# Altium PCB LPCB220R0.PcbDoc (part 3 of 4) (continued)
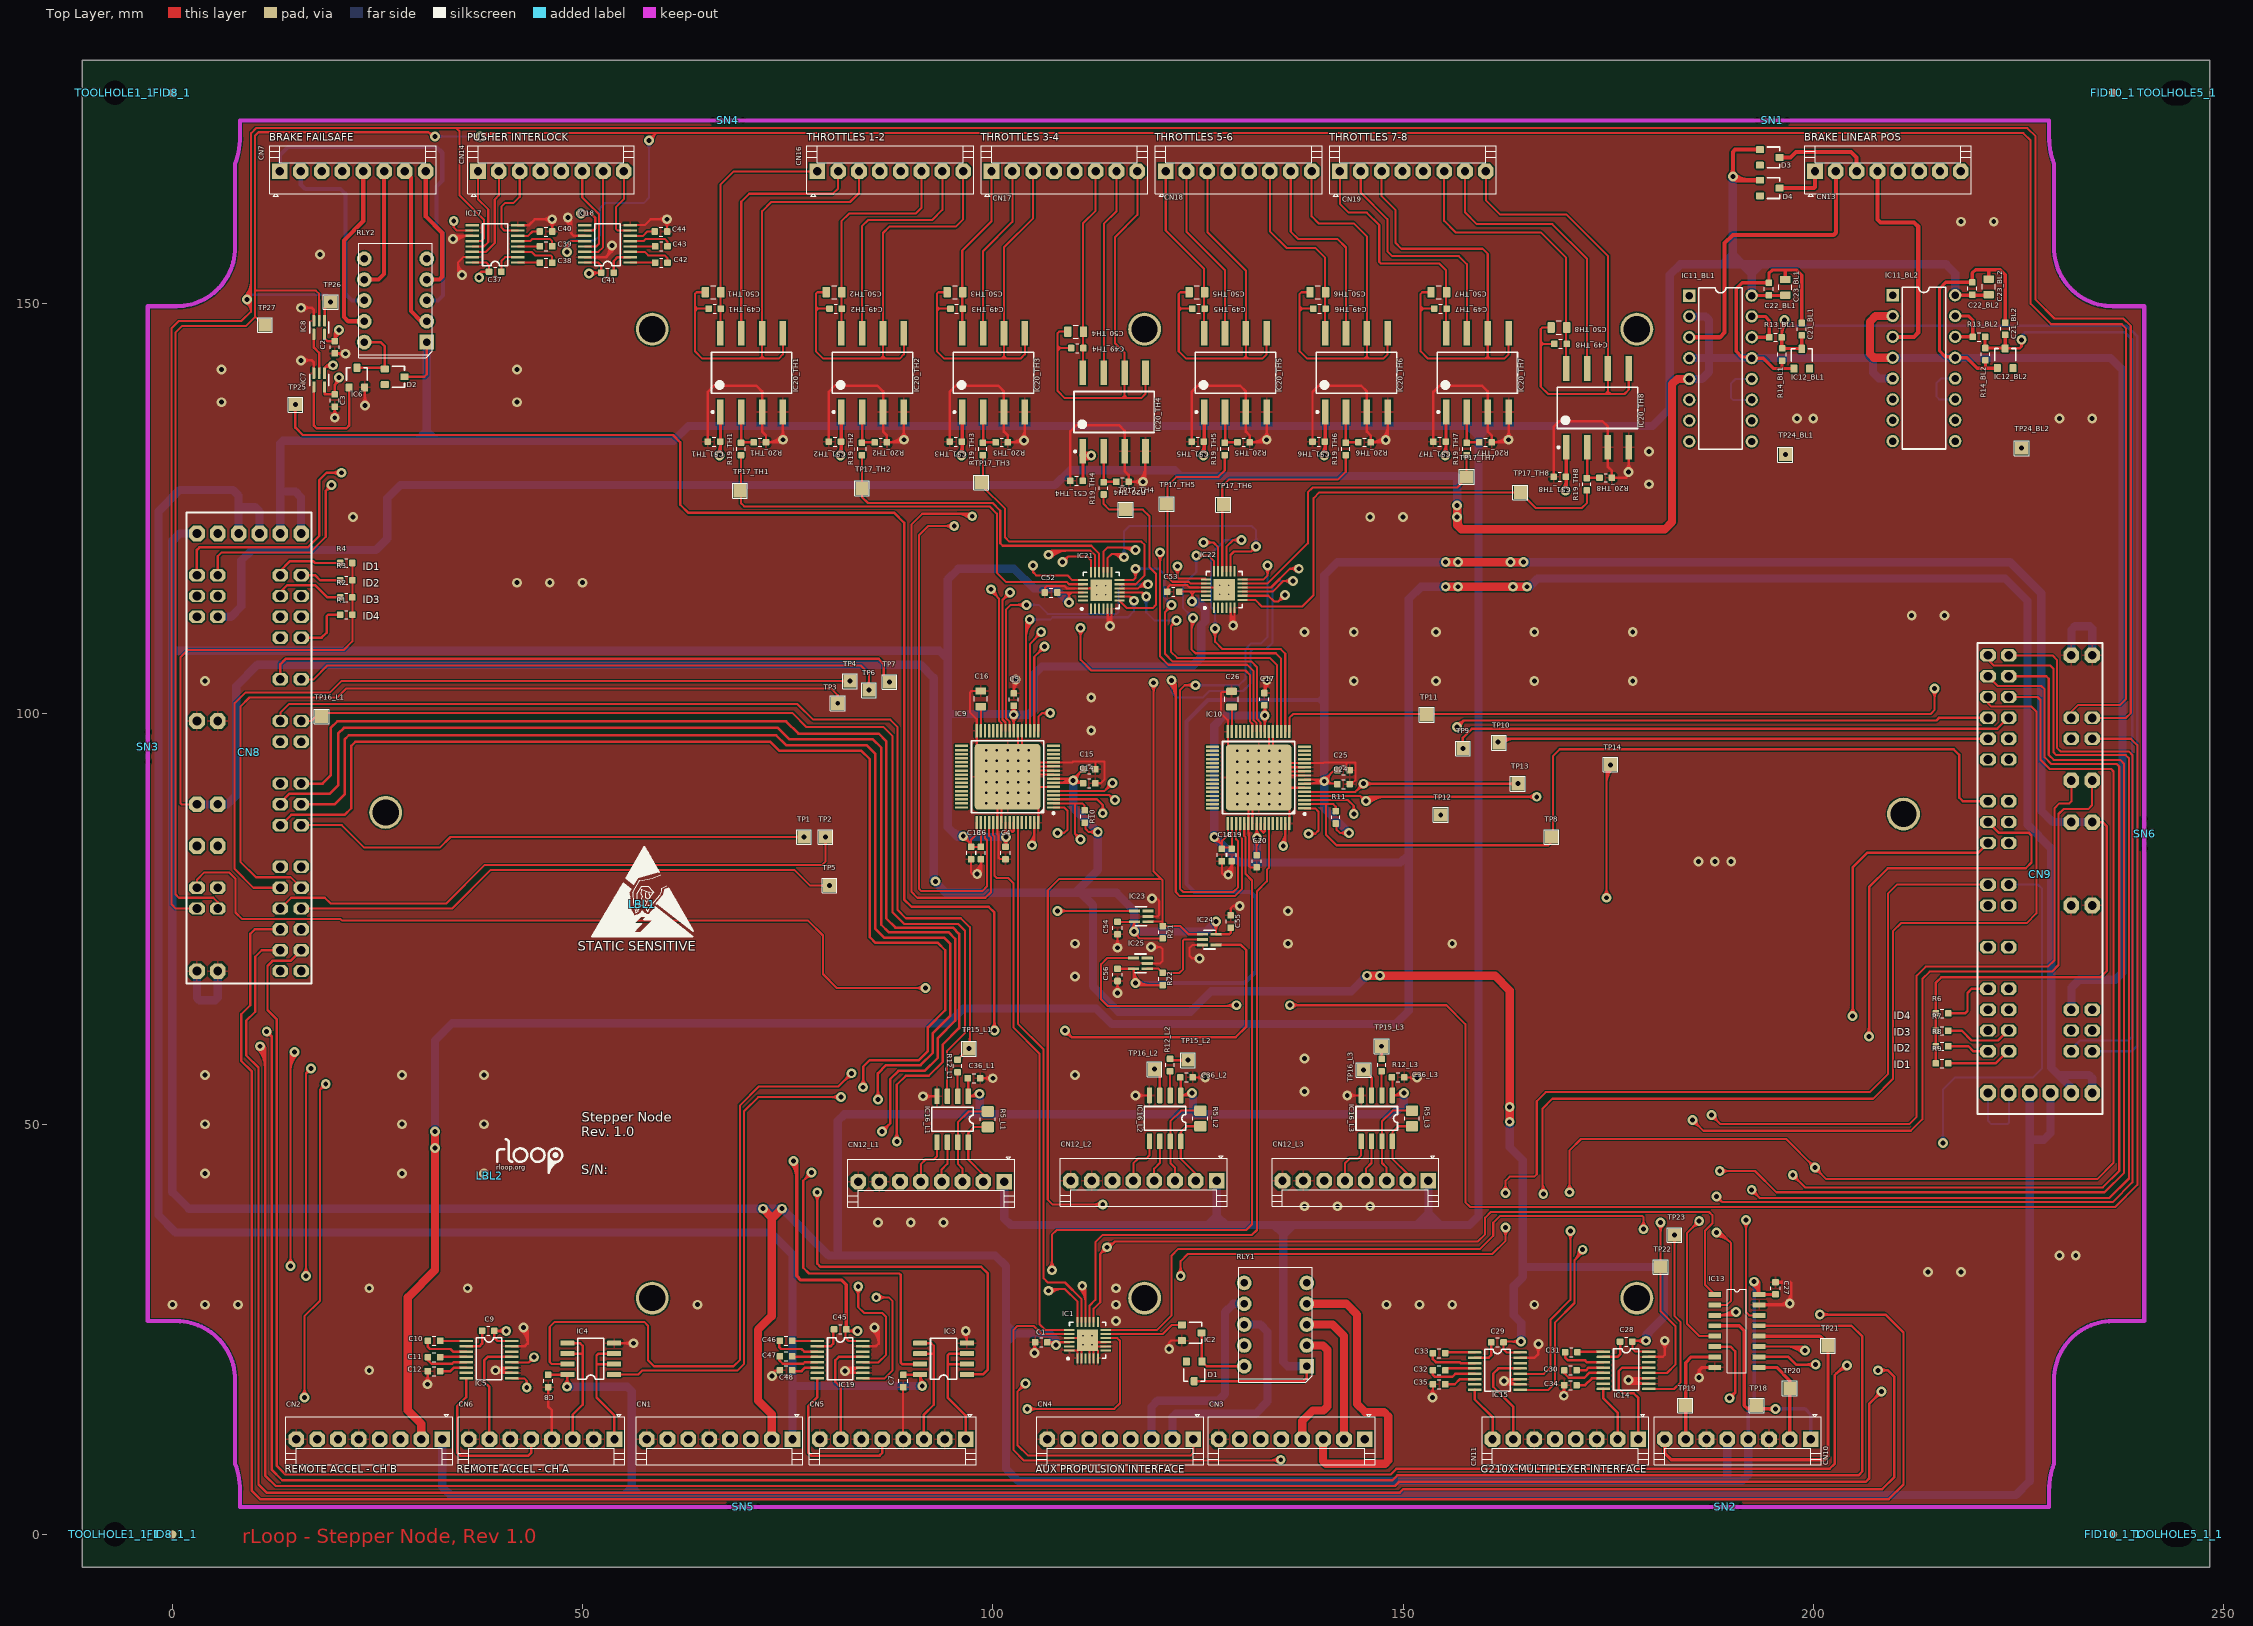
[diagram p0: Top Layer view]
## Nets (pads, with @x,y where several pads share a name; then routed paths per layer and width w, separated by ;. In a path a pad name is that pad's centre, name@x,y a point inside that pad or via, vN(x,y) a via of type N, cw(c..) or ccw(c..) an arc to the next point about the centre after c; other vN are vias at no path point) (continued)
  Top Layer w0.254: 34.8,154.217 ccw(c35.62,154.217) v1@35.286,153.468 ; 34.8,154.608 ccw(c35.795,154.608) v1@35.389,153.7 ; v1@34.863,153.681 ccw(c34.594,153.794) 34.8,154 ; v1@35.119,153.937 cw(c35.006,154.206) 34.8,154 ; v1(35.3,153.5) 34.8,154 ; v1@35.493,153.932 cw(c35.97,155) 34.8,155 ; IC17.15@36.575,155.675 35.475,155.675 34.8,155 ; v1@45.966,159.966 cw(c45.158,159.158) 46.3,159.158 cw(c47.442,159.158) v1@46.634,159.966 ; C40.2@46.3,158.8 v1(46.3,160.3) ; IC18.8@55.825,159.575 57.575,159.575 58.3,160.3 v1(60.3,160.3) C44.2@60.3,158.8 ; v1@59.966,160.634 cw(c59.158,161.442) 59.158,160.3 cw(c59.158,159.158) 59.966,159.966 cw(c59.158,159.158) 60.3,159.158 cw(c61.442,159.158) v1@60.634,159.966 ; v1(73.1,19.3) 73.1,19.6 73.5,20 ; v1@73.1,19.773 ccw(c73.1,20.191) 73.395,19.895 ; v1@73.474,19.59 cw(c73.72,19.78) 73.5,20 ; C48.2@74.25,20 73.5,20 ; v1@81.975,19.925 cw(c82.942,18.958) 82.942,20.325 ; v1@82.155,19.745 cw(c83.555,18.345) IC19.11@83.555,20.325 ; v1@82.155,20.055 ccw(c83.072,20.972) 83.072,19.675 ; v1@82.246,20.304 ccw(c82.322,20.428) 82.425,20.325 ; v1@82.334,20.234 ccw(c83.685,21.585) IC19.10@83.685,19.675 ; v1@82.404,20.146 cw(c82.528,20.222) 82.425,20.325 ; 82.599,19.675 ccw(c82.599,19.301) 82.334,19.566 cw(c84.168,17.732) IC19.11@84.168,20.325 ; IC19.10@84.175,19.675 82.225,19.675 v1(82,19.9) 82.425,20.325 ; IC19.11@84.175,20.325 82.425,20.325 ; CN5.4@89.07,11.6 89.07,17.92 C7.2@89.1,17.95 ; v1(91.5,53.4) IC16_L1.4@93.195,53.4 ; v1@91.835,53.066 cw(c92.642,52.258) 92.642,53.4 cw(c92.642,54.542) v1@91.835,53.734 ; v1@96.366,24.465 cw(c95.2,23.298) IC3.4@96.85,23.298 ; v1@96.545,24.645 cw(c95.811,23.91) 96.85,23.91 ; v1(96.7,24.8) 96.85,24.65 IC3.4@96.85,23.305 ; 96.85,24.02 cw(c97.48,24.02) v1@97.034,24.466 ; C13.2@97.35,82.3 97.35,80.65 97.5,80.5 98.4,80.5 98.6,80.7 C6.2@98.6,82.25 ; v1@97.85,80.902 ccw(c97.013,82.25) C6.2@98.6,82.25 ; v1@97.984,80.686 ccw(c97.297,81.793) 98.6,81.793 ; v1@98.118,80.47 ccw(c97.58,81.336) 98.6,81.336 ; v1@98.252,80.255 ccw(c97.864,80.879) 98.6,80.879 ; C36_L1.2@98.45,55.6 v1(100,55.6) ; C6.2@98.55,82.3 C6.2@98.6,82.25 ; C16.1@98.55,102.8 97.4,102.8 97.2,102.6 97.2,100.2 98.05,99.35 IC9.32@98.05,97.95 98.05,96.1 IC9.PAD@101.8,92.35 ; v1@99.666,55.266 ccw(c98.858,54.458) 98.858,55.6 ccw(c98.858,56.742) v1@99.666,55.934 ; IC9.PAD@100.378,88.978 cw(c99.962,88.562) IC9.PAD@100.55,88.562 ; IC9.PAD@100.378,89.222 ccw(c99.962,89.638) IC9.PAD@100.55,89.638 ; IC9.PAD@100.378,90.278 cw(c99.962,89.862) IC9.PAD@100.55,89.862 ; IC9.PAD@100.378,90.522 ccw(c99.962,90.938) IC9.PAD@100.55,90.938 ; IC9.PAD@100.5,88.927 cw(c100.5,88.389) IC9.PAD@100.881,88.769 ; IC9.PAD@100.55,88.803 cw(c100.797,88.803) IC9.PAD@100.622,88.978 ; IC9.PAD@100.55,89.397 ccw(c100.797,89.397) IC9.PAD@100.622,89.222 ; IC9.PAD@100.55,90.103 cw(c100.797,90.103) IC9.PAD@100.622,90.278 ; IC9.PAD@100.55,90.697 ccw(c100.797,90.697) IC9.PAD@100.622,90.522 ; IC9.PAD@100.673,89.1 ccw(c100.97,89.1) IC9.PAD@100.76,88.89 ; IC9.55@101.05,86.75 101.05,88.6 IC9.PAD@100.55,89.1 ; C4.2@101.55,82.3 100.9,82.3 100.7,82.5 100.7,85.2 100.55,85.35 IC9.54@100.55,86.75 IC9.PAD@100.55,89.1 ; IC9.PAD@102.515,92.6 ccw(c102.515,93.376) IC9.PAD@103.168,92.956 ; C5.2@102.55,102.482 cw(c104.48,102.482) v1@103.131,103.862 ; C5.2@102.55,102.5 102.55,103.95 v1(102.8,104.2) ; 102.55,103.085 cw(c103.89,103.085) v1@102.953,104.043 ; IC9.PAD@102.955,93.094 cw(c102.05,93.675) IC9.PAD@102.05,92.6 ; IC9.PAD@102.962,92.895 ccw(c102.55,92.583) IC9.PAD@102.55,93.1 ; IC9.PAD@102.978,94.178 cw(c102.803,94.003) IC9.PAD@103.05,94.003 ; IC9.PAD@102.978,94.422 ccw(c102.803,94.597) IC9.PAD@103.05,94.597 ; IC9.PAD@102.978,95.478 cw(c102.803,95.303) IC9.PAD@103.05,95.303 ; IC9.PAD@102.978,95.722 ccw(c102.803,95.897) IC9.PAD@103.05,95.897 ; IC9.PAD@103.017,92.6 ccw(c103.017,94.383) IC9.PAD@104.278,93.122 ; IC9.PAD@103.043,92.943 ccw(c103.87,93.77) IC9.PAD@103.87,92.6 ; IC9.PAD@103.05,93.762 cw(c103.638,93.762) IC9.PAD@103.222,94.178 ; IC9.PAD@103.05,94.838 ccw(c103.638,94.838) IC9.PAD@103.222,94.422 ; IC9.PAD@103.05,95.062 cw(c103.638,95.062) IC9.PAD@103.222,95.478 ; IC9.PAD@103.05,96.138 ccw(c103.638,96.138) IC9.PAD@103.222,95.722 ; IC9.22@103.05,97.95 IC9.PAD@103.05,95.5 ; IC9.PAD@103.1,95.773 ccw(c103.1,96.311) IC9.PAD@103.481,95.931 ; IC9.PAD@103.222,92.878 cw(c103.759,92.341) IC9.PAD@103.759,93.1 ; IC9.PAD@103.222,93.122 ccw(c104.483,94.383) IC9.PAD@104.483,92.6 ; IC9.PAD@103.273,95.6 cw(c103.57,95.6) IC9.PAD@103.36,95.81 ; IC9.21@103.55,97.95 103.55,96 IC9.PAD@103.05,95.5 ; IC9.PAD@103.63,92.6 ccw(c103.63,93.77) IC9.PAD@104.457,92.943 ; IC9.PAD@103.741,93.1 cw(c103.741,92.341) IC9.PAD@104.278,92.878 ; IC9.PAD@104.129,94.1 ccw(c104.129,94.549) IC9.PAD@104.46,94.245 ; IC9.PAD@104.273,94.417 cw(c103.55,95.082) IC9.PAD@103.55,94.1 ; IC9.PAD@104.343,92.943 ccw(c105.17,93.77) IC9.PAD@105.17,92.6 ; IC9.PAD@104.343,94.243 ccw(c104.687,94.587) IC9.PAD@104.687,94.1 ; IC9.PAD@104.522,92.878 cw(c105.059,92.341) IC9.PAD@105.059,93.1 ; IC9.PAD@104.522,93.122 ccw(c105.783,94.383) IC9.PAD@105.783,92.6 ; IC9.PAD@104.522,94.422 ccw(c105.301,95.2) IC9.PAD@105.301,94.1 ; IC9.PAD@104.573,93 cw(c105.232,93) IC9.PAD@104.766,93.466 ; v1@104.766,22.434 ccw(c103.837,23.363) C1.2@105.15,23.363 ; v1@104.945,22.255 ccw(c104.451,22.749) 105.15,22.749 ; v1(105.1,22.1) 105.15,22.15 C1.2@105.15,23.4 ; C1.2@105.15,23.121 ccw(c106.121,23.121) v1@105.434,22.434 ; IC9.64@105.55,86.75 105.55,88.6 IC9.PAD@103.05,91.1 ; C52.2@106.35,114.8 106.35,115.35 106.6,115.6 108.7,115.6 108.992,115.308 IC21.21@110.995,115.308 112.97,115.308 IC21.PAD@113.22,115.058 ; IC9.6@107.4,91.1 IC9.PAD@103.05,91.1 ; IC9.9@107.4,92.6 IC9.PAD@102.05,92.6 ; IC9.10@107.4,93.1 IC9.PAD@104.4,93.1 ; IC9.11@107.4,93.6 104.9,93.6 IC9.PAD@104.4,93.1 ; IC1.24@109.325,22.425 IC1.PAD@110.3,22.425 ; IC1.21@109.325,23.925 111.3,23.925 IC1.PAD@111.55,23.675 ; 109.979,23.925 ccw(c109.979,25.246) IC1.PAD@110.913,24.312 ; IC1.1@110.3,21.45 IC1.PAD@110.3,22.425 ; IC1.PAD@110.592,23.925 ccw(c110.592,24.633) IC1.PAD@111.093,24.132 ; IC1.2@110.8,21.45 IC1.PAD@110.8,22.925 ; 110.8,22.345 cw(c111.78,22.345) IC1.PAD@111.087,23.038 ; IC1.PAD@110.8,22.958 cw(c111.167,22.958) IC1.PAD@110.907,23.218 ; IC1.PAD@110.877,23.125 cw(c110.58,23.125) 110.79,22.915 cw(c111,22.705) IC1.PAD@111,23.002 ; IC1.PAD@111,23.248 ccw(c111,23.545) 111.21,23.335 ccw(c111.42,23.125) IC1.PAD@111.123,23.125 ; 111.649,115.308 ccw(c111.649,116.629) IC21.PAD@112.583,115.695 ; IC1.4@111.8,21.45 IC1.PAD@111.8,23.2 ; 111.8,22.104 cw(c113.121,22.104) 112.187,23.038 cw(c113.121,22.104) 113.121,23.425 ; IC1.PAD@111.8,22.717 cw(c112.508,22.717) 112.007,23.218 cw(c112.508,22.717) IC1.PAD@112.508,23.425 ; IC1.PAD@111.977,23.125 ccw(c111.68,23.125) 111.89,23.335 ccw(c112.1,23.545) IC1.PAD@112.1,23.248 ; IC1.PAD@112.007,23.032 ccw(c112.267,23.292) IC1.PAD@112.267,22.925 ; IC1.PAD@112.013,23.038 cw(c111.32,22.345) 112.3,22.345 ; IC1.PAD@112.1,23.002 cw(c112.1,22.705) 112.31,22.915 cw(c112.52,23.125) IC1.PAD@112.223,23.125 ; IC1.PAD@112.187,23.212 ccw(c112.88,23.905) 112.88,22.925 ; IC1.PAD@112.193,23.218 cw(c111.933,22.958) IC1.PAD@112.3,22.958 ; IC1.PAD@112.22,23.151 cw(c112.51,23.215) IC1.PAD@112.3,23.425 ; IC21.PAD@112.262,115.308 ccw(c112.262,116.016) IC21.PAD@112.763,115.515 ; IC1.5@112.3,21.45 IC1.PAD@112.3,22.925 ; C14.2@112.5,91.55 113.15,91.55 113.6,92 113.6,94.2 112.4,94.2 ; C15.2@112.5,93.25 112.5,94.1 112.4,94.2 ; IC1.6@112.8,21.45 112.8,22.425 IC1.PAD@112.3,22.925 ; IC1.8@113.775,22.925 IC1.PAD@112.3,22.925 ; IC1.9@113.775,23.425 IC1.PAD@112.3,23.425 ; v1@113.966,111.034 ccw(c112.748,112.252) IC21.6@114.47,112.252 ; 113.97,111.412 ccw(c115.012,111.412) v1@114.275,110.675 ; 113.97,112.025 ccw(c115.625,112.025) v1@114.455,110.855 ; IC21.5@113.97,112.639 ccw(c116.239,112.639) 114.634,111.034 cw(c115.031,111.431) 114.47,111.431 ; IC21.5@113.97,112.833 113.97,110.83 114.2,110.6 114.47,110.87 IC21.6@114.47,112.833 ; v1@114.145,110.855 ccw(c113.361,111.639) 114.47,111.639 ; v1@114.866,66.334 ccw(c114.058,67.142) 115.2,67.142 ccw(c116.342,67.142) v1@115.534,66.334 ; v1@114.866,71.834 ccw(c114.058,72.642) 115.2,72.642 ccw(c116.342,72.642) v1@115.534,71.834 ; v1(115.2,66) C56.2@115.2,67.45 ; v1(115.2,71.5) C54.2@115.2,73.15 ; v1(117.4,53.5) IC16_L2.4@119.095,53.5 ; v1@117.735,53.166 cw(c118.542,52.358) 118.542,53.5 cw(c118.542,54.642) v1@117.735,53.834 ; IC25.2@118.825,69.6 120.4,69.6 120.7,69.9 120.7,71.3 120.4,71.6 ; IC23.2@118.912,75.33 120.116,75.33 120.286,75.5 120.286,77.214 120,77.5 v1(119.4,77.5) ; v1(119.3,71.6) 120.4,71.6 ; v1@119.643,71.275 cw(c120.4,70.558) 120.4,71.6 ; v1@119.643,71.925 ccw(c120.4,72.642) 120.4,71.6 ; v1@121.272,23.014 ccw(c121.06,23.4) 121.5,23.4 ; C53.2@121.35,114.9 121.35,115.45 121.6,115.7 123.7,115.7 123.992,115.408 IC22.21@125.995,115.408 127.97,115.408 IC22.PAD@128.22,115.158 ; v1(121.5,22.6) 121.5,23.4 ; v1@121.728,23.014 cw(c121.94,23.4) 121.5,23.4 ; IC2.2@123.05,23.625 121.725,23.625 121.5,23.4 ; C36_L2.2@124.35,55.7 v1(125.9,55.7) ; v1@124.81,69.932 ccw(c124.3,69.58) 124.3,70.2 ; v1@124.81,70.468 cw(c124.3,70.82) 124.3,70.2 ; v1(125.2,70.2) 124.3,70.2 ; v1@125.566,55.366 ccw(c124.758,54.558) 124.758,55.7 ccw(c124.758,56.842) v1@125.566,56.034 ; IC24.3@125.575,71.85 124.35,71.85 124,71.5 124,70.5 124.3,70.2 ; 126.649,115.408 ccw(c126.649,116.729) IC22.PAD@127.583,115.795 ; IC22.PAD@127.262,115.408 ccw(c127.262,116.116) IC22.PAD@127.763,115.615 ; C18.2@127.95,82.2 127.95,80.55 128.1,80.4 129,80.4 129.2,80.6 129.2,82.15 cw(c127.613,82.15) v1@128.45,80.802 ; v1@128.584,80.586 ccw(c127.897,81.693) C19.2@129.2,81.693 ; v1@128.718,80.37 ccw(c128.18,81.236) 129.2,81.236 ; v1@128.852,80.155 ccw(c128.464,80.779) 129.2,80.779 ; v1@128.966,111.134 ccw(c127.748,112.352) IC22.6@129.47,112.352 ; 128.97,111.512 ccw(c130.012,111.512) v1@129.275,110.775 ; 128.97,112.125 ccw(c130.625,112.125) v1@129.455,110.955 ; IC22.5@128.97,112.739 ccw(c131.239,112.739) 129.634,111.134 cw(c130.031,111.531) 129.47,111.531 ; IC22.5@128.97,112.933 128.97,110.93 129.2,110.7 129.47,110.97 IC22.6@129.47,112.933 ; C55.2@129,75.45 129,76.3 129.3,76.6 ; v1@129.145,110.955 ccw(c128.361,111.739) 129.47,111.739 ; C26.1@129.15,102.7 128,102.7 127.8,102.5 127.8,100.1 128.65,99.25 IC10.32@128.65,97.85 128.65,96 IC10.PAD@132.4,92.25 ; v1@129.686,76.372 ccw(c129.3,76.16) 129.3,76.6 ; v1@129.686,76.828 cw(c129.3,77.04) 129.3,76.6 ; v1(130.1,76.6) 129.3,76.6 ; IC10.PAD@130.978,88.878 cw(c130.562,88.462) IC10.PAD@131.15,88.462 ; IC10.PAD@130.978,89.122 ccw(c130.562,89.538) IC10.PAD@131.15,89.538 ; IC10.PAD@130.978,90.178 cw(c130.562,89.762) IC10.PAD@131.15,89.762 ; IC10.PAD@130.978,90.422 ccw(c130.562,90.838) IC10.PAD@131.15,90.838 ; IC10.PAD@131.15,88.703 cw(c131.397,88.703) IC10.PAD@131.222,88.878 ; IC10.PAD@131.15,89.297 ccw(c131.397,89.297) IC10.PAD@131.222,89.122 ; IC10.PAD@131.15,90.003 cw(c131.397,90.003) IC10.PAD@131.222,90.178 ; IC10.PAD@131.15,90.597 ccw(c131.397,90.597) IC10.PAD@131.222,90.422 ; IC10.55@131.65,86.65 IC10.PAD@131.65,91.5 ; C20.2@132.15,81.3 131.4,81.3 131.228,81.472 131.228,85.472 131.15,85.55 IC10.54@131.15,86.65 131.15,91 IC10.PAD@131.65,91.5 ; IC10.PAD@133.115,92.5 ccw(c133.115,93.276) IC10.PAD@133.768,92.856 ; C17.2@133.15,102.382 cw(c135.08,102.382) v1@133.731,103.762 ; C17.2@133.15,102.4 133.15,103.85 v1(133.4,104.1) ; 133.15,102.985 cw(c134.49,102.985) v1@133.553,103.943 ; IC10.PAD@133.555,92.994 cw(c132.65,93.575) IC10.PAD@132.65,92.5 ; IC10.PAD@133.562,92.795 ccw(c133.15,92.483) IC10.PAD@133.15,93 ; IC10.PAD@133.578,94.078 cw(c133.403,93.903) IC10.PAD@133.65,93.903 ; IC10.PAD@133.578,94.322 ccw(c133.403,94.497) IC10.PAD@133.65,94.497 ; IC10.PAD@133.578,95.378 cw(c133.403,95.203) IC10.PAD@133.65,95.203 ; IC10.PAD@133.578,95.622 ccw(c133.403,95.797) IC10.PAD@133.65,95.797 ; IC10.PAD@133.617,92.5 ccw(c133.617,94.283) IC10.PAD@134.878,93.022 ; IC10.PAD@133.643,92.843 ccw(c134.47,93.67) IC10.PAD@134.47,92.5 ; IC10.PAD@133.65,93.662 cw(c134.238,93.662) IC10.PAD@133.822,94.078 ; IC10.PAD@133.65,94.738 ccw(c134.238,94.738) IC10.PAD@133.822,94.322 ; IC10.PAD@133.65,94.962 cw(c134.238,94.962) IC10.PAD@133.822,95.378 ; IC10.PAD@133.65,96.038 ccw(c134.238,96.038) IC10.PAD@133.822,95.622 ; IC10.22@133.65,97.85 IC10.PAD@133.65,95.5 ; IC10.PAD@133.7,95.673 ccw(c133.7,95.97) IC10.PAD@133.91,95.76 ; IC10.PAD@133.822,92.778 cw(c134.359,92.241) IC10.PAD@134.359,93 ; IC10.PAD@133.822,93.022 ccw(c135.083,94.283) IC10.PAD@135.083,92.5 ; IC10.PAD@133.873,95.5 cw(c134.411,95.5) IC10.PAD@134.031,95.881 ; IC10.21@134.15,97.85 134.15,96 IC10.PAD@133.65,95.5 ; IC10.PAD@134.23,92.5 ccw(c134.23,93.67) IC10.PAD@135.057,92.843 ; IC10.PAD@134.341,93 cw(c134.341,92.241) IC10.PAD@134.878,92.778 ; IC10.PAD@134.729,94 ccw(c134.729,94.449) IC10.PAD@135.06,94.145 ; IC10.PAD@134.873,94.317 cw(c134.15,94.982) IC10.PAD@134.15,94 ; IC10.PAD@134.943,92.843 ccw(c135.77,93.67) IC10.PAD@135.77,92.5 ; IC10.PAD@134.943,94.143 ccw(c135.287,94.487) IC10.PAD@135.287,94 ; IC10.PAD@135.122,92.778 cw(c135.659,92.241) IC10.PAD@135.659,93 ; IC10.PAD@135.122,93.022 ccw(c136.383,94.283) IC10.PAD@136.383,92.5 ; IC10.PAD@135.122,94.322 ccw(c135.901,95.1) IC10.PAD@135.901,94 ; IC10.64@136.15,86.65 136.15,88.5 IC10.PAD@133.65,91 ; IC10.6@138,91 IC10.PAD@133.65,91 ; IC10.9@138,92.5 IC10.PAD@132.65,92.5 ; IC10.10@138,93 IC10.PAD@133.15,93 ; IC10.11@138,93.5 IC10.PAD@133.65,93.5 ; C24.2@143.1,91.45 143.75,91.45 144.2,91.9 144.2,94.1 143,94.1 ; C25.2@143.1,93.15 143.1,94 143,94.1 ; v1(143.2,53.5) IC16_L3.4@144.895,53.5 ; v1@143.534,53.166 cw(c144.342,52.358) 144.342,53.5 cw(c144.342,54.642) v1@143.534,53.834 ; C36_L3.2@150.15,55.7 v1(151.7,55.7) ; v1@151.366,55.366 ccw(c150.558,54.558) 150.558,55.7 ccw(c150.558,56.842) v1@151.366,56.034 ; v1@153.266,17.034 ccw(c152.337,17.963) C35.2@153.65,17.963 ; v1@153.445,16.855 ccw(c152.951,17.349) 153.65,17.349 ; v1(153.6,16.7) 153.65,16.75 C35.2@153.65,18.3 ; 153.65,17.721 ccw(c154.621,17.721) v1@153.934,17.034 ; v1@169.266,17.234 ccw(c168.337,18.163) C34.2@169.65,18.163 ; v1@169.445,17.055 ccw(c168.951,17.549) 169.65,17.549 ; v1(169.6,16.9) 169.65,16.95 C34.2@169.65,18.2 ; C34.2@169.65,17.921 ccw(c170.621,17.921) v1@169.934,17.234 ; 34.8,154 34.8,155 ; IC9.PAD@100.55,89.1 100.55,91.1 IC9.PAD@101.8,92.35 ; IC9.PAD@101.8,92.35 IC9.PAD@102.05,92.6 ; IC9.PAD@101.8,92.35 IC9.PAD@103.05,91.1 ; IC9.PAD@102.05,92.6 IC9.PAD@102.55,93.1 ; IC9.PAD@102.55,93.1 IC9.PAD@103.05,93.6 ; IC9.PAD@102.55,93.1 IC9.PAD@104.4,93.1 ; IC9.PAD@103.05,93.6 IC9.PAD@103.55,94.1 ; IC9.PAD@103.05,93.6 IC9.PAD@103.05,95.5 ; IC9.PAD@103.55,94.1 IC9.12@107.4,94.1 109.7,94.1 109.8,94.2 112.4,94.2 ; IC1.PAD@110.3,22.425 IC1.PAD@110.8,22.925 ; IC1.PAD@110.8,22.925 ccw(c110.614,23.111) 110.877,23.121 cw(c110.614,23.111) IC1.PAD@110.8,22.925 ; IC1.PAD@110.8,22.925 cw(c110.986,22.739) 110.996,23.002 ccw(c110.986,22.739) IC1.PAD@110.8,22.925 ; IC1.PAD@110.8,22.925 v3(111,23.125) IC1.PAD@111.55,23.675 ; IC1.PAD@111.55,23.675 IC1.PAD@111.8,23.425 ; IC1.PAD@111.8,23.2 IC1.PAD@111.8,23.425 ; IC1.PAD@111.8,23.2 IC1.PAD@111.937,23.063 ; IC1.PAD@111.8,23.425 IC1.PAD@112.05,23.175 ; IC1.PAD@111.937,23.063 IC1.PAD@112.05,23.175 ; IC1.PAD@111.937,23.063 112.075,22.925 IC1.PAD@112.3,22.925 ; IC1.PAD@112.05,23.175 IC1.PAD@112.3,23.425 ; IC1.PAD@112.05,23.175 v3(112.1,23.125) IC1.PAD@112.3,22.925 ; IC1.PAD@112.104,23.002 cw(c112.114,22.739) IC1.PAD@112.3,22.925 ; IC1.PAD@112.104,23.002 cw(c112.114,22.739) IC1.PAD@112.3,22.925 ; IC1.PAD@112.104,23.002 cw(c112.114,22.739) IC1.PAD@112.3,22.925 ; IC1.PAD@112.104,23.002 cw(c112.114,22.739) IC1.PAD@112.3,22.925 ; IC1.PAD@112.223,23.121 ccw(c112.486,23.111) IC1.PAD@112.3,22.925 ; IC1.PAD@112.223,23.121 ccw(c112.486,23.111) IC1.PAD@112.3,22.925 ; IC1.PAD@112.223,23.121 ccw(c112.486,23.111) IC1.PAD@112.3,22.925 ; IC1.PAD@112.223,23.121 ccw(c112.486,23.111) IC1.PAD@112.3,22.925 ; IC10.PAD@131.65,91.5 IC10.PAD@132.4,92.25 ; IC10.PAD@132.4,92.25 IC10.PAD@132.65,92.5 ; IC10.PAD@132.4,92.25 IC10.PAD@133.65,91 ; IC10.PAD@132.65,92.5 IC10.PAD@133.15,93 ; IC10.PAD@133.15,93 IC10.PAD@133.65,93.5 ; IC10.PAD@133.65,93.5 IC10.PAD@134.15,94 ; IC10.PAD@133.65,93.5 IC10.PAD@133.65,95.5 ; IC10.PAD@134.15,94 IC10.12@138,94 140.3,94 140.4,94.1 143,94.1
  Top Layer w0.3: v1(15.7,143.1) 17,143.1 17.25,142.85 IC7.3@17.25,141.525 ; v1(15.7,149.5) 17,149.5 17.25,149.25 IC8.3@17.25,147.925 ; v1@16.018,142.782 cw(c16.786,142.014) 16.786,143.1 cw(c16.786,144.186) v1@16.018,143.418 ; v1@16.018,149.182 cw(c16.786,148.414) 16.786,149.5 cw(c16.786,150.586) v1@16.018,149.818 ; v1@19.482,136.418 ccw(c18.714,137.186) 19.8,137.186 ccw(c20.886,137.186) v1@20.118,136.418 ; v1(19.8,136.1) C3.2@19.8,137.45 ; C2.2@19.8,143.95 21.05,143.95 v1@21.4,143.6 ; C2.2@19.893,143.95 cw(c19.893,142.693) v1@20.782,143.582 ; C2.2@20.134,143.95 ccw(c20.134,144.866) v1@20.782,144.218 ; v1@23.182,137.918 ccw(c22.534,138.566) 23.45,138.566 ; v1@23.25,137.45 v1@23.45,137.65 ; 23.45,138.807 ccw(c24.707,138.807) v1@23.818,137.918 ; IC6.2@23.45,139.8 v1@23.45,137.65 ; v1(23.5,137.6) v1@23.45,137.65 ; v1@30.782,18.618 ccw(c29.893,19.507) C12.2@31.15,19.507 ; v1(31.1,18.3) 31.15,18.35 C12.2@31.15,19.9 ; 31.15,19.266 ccw(c32.066,19.266) v1@31.418,18.618 ; v1@34.094,158.006 cw(c34.743,157.357) 34.743,158.275 ; v1(34.2,157.9) 34.2,158.2 34.275,158.275 IC17.11@36.575,158.275 ; v1@34.306,157.794 cw(c35.467,156.633) 35.467,158.275 ; v1@34.518,157.582 cw(c36.192,155.908) IC17.11@36.192,158.275 ; v1@39.506,19.894 cw(c40.547,18.853) 40.547,20.325 ; v1@39.506,20.106 ccw(c40.547,21.147) 40.547,19.675 ; v1@39.718,19.682 cw(c41.271,18.129) IC5.11@41.271,20.325 ; v1@39.718,20.318 ccw(c41.271,21.871) IC5.10@41.271,19.675 ; IC5.10@41.375,19.675 39.525,19.675 39.2,20 39.525,20.325 IC5.11@41.375,20.325 ; IC5.15@41.375,22.925 42.925,22.925 43.3,23.3 43.3,24.8 ; IC17.8@42.125,159.575 43.475,159.575 44.2,160.3 v1(46.3,160.3) ; v1@42.521,24.847 cw(c41.244,23.235) 43.3,23.235 ; v1@42.707,25.082 cw(c41.735,23.856) 43.3,23.856 ; v1(42.8,25.2) 42.9,25.2 43.3,24.8 ; v1@42.893,25.318 cw(c42.227,24.476) 43.3,24.476 ; v1@43.049,24.825 cw(c43.159,24.659) 43.3,24.8 ; v1@43.231,25.072 ccw(c43.493,24.993) 43.3,24.8 ; C8.2@45.8,17.95 45.8,15.6 46.27,15.13 CN6.4@46.27,11.6 ; v1@45.982,159.982 ccw(c45.214,159.214) 45.214,160.3 ccw(c45.214,161.386) v1@45.982,160.618 ; v1@47.895,160.169 cw(c46.408,158.558) 48.6,158.558 ; v1@48.098,160.39 cw(c47.04,159.244) 48.6,159.244 ; v1(48.2,160.5) 48.6,160.1 48.6,158.6 48.925,158.275 IC18.11@50.275,158.275 ; v1@48.302,160.61 cw(c47.673,159.929) 48.6,159.929 ; IC18.15@50.275,155.675 52.875,155.675 ; v1@53.174,156.956 cw(c51.994,156.556) 52.875,155.675 ; 53.216,156.016 ccw(c52.504,156.728) v1@53.458,157.052 ; v1@53.413,156.691 cw(c53.281,156.4) 53.6,156.4 ; 53.558,156.358 ccw(c53.014,156.901) v1@53.742,157.148 ; v1(53.6,157.1) 53.6,156.4 ; v1@53.787,156.691 ccw(c53.919,156.4) 53.6,156.4 ; IC4.4@53.85,23.305 56.195,23.305 v1(56.2,23.3) ; 55.102,23.305 cw(c55.102,22.202) v1@55.882,22.982 ; 55.126,23.305 ccw(c55.126,24.374) v1@55.882,23.618 ; C51_TH1.2@65.26,133.2 65.26,139.26 66,140 71.2,140 71.88,139.32 IC20_TH1.3@71.88,136.8 71.88,134.42 72.36,133.94 R20_TH1.1@72.36,133.1 74.1,133.1 v1(74.42,133.42) IC20_TH1.4@74.42,136.8 ; R20_TH1.1@72.561,133.1 ccw(c72.561,135.279) 74.102,133.738 ccw(c73.334,134.506) 74.42,134.506 ccw(c75.506,134.506) v1@74.738,133.738 ; 73.285,133.1 ccw(c73.285,134.555) v1@74.314,133.526 ; C51_TH2.2@80.001,133.2 80.001,139.26 80.741,140 85.941,140 86.621,139.32 IC20_TH2.3@86.621,136.8 86.621,134.42 87.101,133.94 R20_TH2.1@87.101,133.1 88.841,133.1 v1(89.161,133.42) IC20_TH2.4@89.161,136.8 ; IC19.15@84.175,22.925 85.725,22.925 86.1,23.3 86.1,24.8 ; v1@85.321,24.847 cw(c84.044,23.235) 86.1,23.235 ; v1@85.507,25.082 cw(c84.535,23.856) 86.1,23.856 ; v1@85.693,25.318 cw(c85.027,24.476) 86.1,24.476 ; R20_TH2.1@87.302,133.1 ccw(c87.302,135.279) 88.843,133.738 ccw(c88.075,134.506) 89.161,134.506 ccw(c90.248,134.506) v1@89.48,133.738 ; 88.027,133.1 ccw(c88.027,134.555) v1@89.055,133.526 ; C51_TH3.2@94.743,133.2 94.743,139.26 95.483,140 100.683,140 101.363,139.32 IC20_TH3.3@101.363,136.8 101.363,134.42 101.843,133.94 R20_TH3.1@101.843,133.1 103.583,133.1 103.903,133.42 IC20_TH3.4@103.903,136.8 ; R20_TH3.1@102.189,133.1 ccw(c102.189,134.928) 103.482,133.635 ccw(c102.465,134.652) 103.903,134.652 ; 102.914,133.1 ccw(c102.914,134.204) 103.694,133.423 ccw(c103.19,133.928) 103.903,133.928 ; 103.238,133.1 cw(c103.238,132.755) v1@103.482,132.999 ; 103.903,134.155 ccw(c104.638,134.155) v1@104.118,133.635 ; C51_TH4.2@109.45,128.4 109.45,134.46 110.19,135.2 115.39,135.2 116.07,134.52 IC20_TH4.3@116.07,132 116.07,129.62 116.55,129.14 R20_TH4.1@116.55,128.3 v1(118.29,128.3) 118.61,128.62 IC20_TH4.4@118.61,132 ; v1@117.972,127.982 ccw(c117.204,127.214) 117.204,128.3 ccw(c117.204,129.386) 117.972,128.618 ccw(c116.431,130.159) 118.61,130.159 ; v1@118.184,128.406 ccw(c117.155,129.435) 118.61,129.435 ; C51_TH5.2@124.226,133.2 124.226,139.26 124.966,140 130.166,140 130.846,139.32 IC20_TH5.3@130.846,136.8 130.846,134.42 131.326,133.94 R20_TH5.1@131.326,133.1 133.066,133.1 v1(133.386,133.42) IC20_TH5.4@133.386,136.8 ; R20_TH5.1@131.527,133.1 ccw(c131.527,135.279) 133.068,133.738 ccw(c132.299,134.506) 133.386,134.506 ccw(c134.472,134.506) v1@133.704,133.738 ; 132.251,133.1 ccw(c132.251,134.555) v1@133.28,133.526 ; C51_TH6.2@138.967,133.2 138.967,139.26 139.707,140 144.907,140 145.587,139.32 IC20_TH6.3@145.587,136.8 145.587,134.42 146.067,133.94 R20_TH6.1@146.067,133.1 147.807,133.1 148.127,133.42 IC20_TH6.4@148.127,136.8 ; R20_TH6.1@146.089,133.1 ccw(c146.089,135.211) 147.582,133.718 ccw(c146.265,135.035) 148.127,135.035 ; 146.814,133.1 ccw(c146.814,134.486) 147.794,133.506 ccw(c146.989,134.311) 148.127,134.311 ; C51_TH7.2@153.709,133.2 153.709,139.26 154.449,140 159.649,140 160.329,139.32 IC20_TH7.3@160.329,136.8 160.329,134.42 160.809,133.94 R20_TH7.1@160.809,133.1 162.549,133.1 v1(162.869,133.42) IC20_TH7.4@162.869,136.8 ; R20_TH7.1@161.01,133.1 ccw(c161.01,135.279) 162.55,133.738 ccw(c161.782,134.506) 162.869,134.506 ccw(c163.955,134.506) v1@163.187,133.738 ; 161.734,133.1 ccw(c161.734,134.555) v1@162.763,133.526 ; v1@162.189,18.599 ccw(c162.921,19.263) 162.921,18.275 ; v1@162.406,18.594 cw(c163.205,17.795) 163.205,18.925 ; v1@162.411,18.801 ccw(c163.598,19.877) IC15.10@163.598,18.275 ; v1@162.618,18.382 cw(c163.93,17.07) IC15.11@163.93,18.925 ; v1@162.633,19.002 ccw(c164.275,20.491) IC15.10@164.275,18.275 162.125,18.275 161.9,18.5 162.325,18.925 IC15.11@164.275,18.925 ; IC15.15@164.275,21.525 166.025,21.525 166.5,22 v1(166.5,23.2) ; v1@166.182,22.882 cw(c165.414,22.114) 166.5,22.114 cw(c167.586,22.114) v1@166.818,22.882 ; C51_TH8.2@168.35,128.9 168.35,134.96 169.09,135.7 174.29,135.7 174.97,135.02 IC20_TH8.3@174.97,132.5 174.97,130.12 175.45,129.64 R20_TH8.1@175.45,128.8 177.19,128.8 177.51,129.12 IC20_TH8.4@177.51,132.5 ; v1@177.182,129.818 ccw(c176.389,130.611) 177.51,130.611 ; v1@177.394,18.694 ccw(c178.164,19.464) 178.164,18.375 ; 177.51,130.562 ccw(c178.562,130.562) v1@177.818,129.818 ; v1@177.606,18.694 cw(c178.405,17.895) 178.405,19.025 ; v1@177.606,18.906 ccw(c178.888,20.188) 178.888,18.375 ; v1@177.818,18.482 cw(c179.13,17.17) 179.13,19.025 ; v1@177.818,19.118 ccw(c179.612,20.912) IC14.10@179.612,18.375 ; IC14.10@179.975,18.375 177.525,18.375 177.2,18.7 177.525,19.025 IC14.11@179.975,19.025 ; IC14.15@179.975,21.625 181.625,21.625 181.9,21.9 v1(181.9,23.6) ; v1@181.582,23.282 cw(c180.814,22.514) 181.9,22.514 cw(c182.986,22.514) v1@182.218,23.282 ; 52.875,155.675 53.6,156.4
  Top Layer w0.4: v1@185.832,19.397 ccw(c185.288,20) 186.1,20 ; v1(186.1,19.1) 186.1,20 ; v1@186.368,19.397 cw(c186.912,20) 186.1,20 ; IC13.8@188,20.355 186.455,20.355 186.1,20 ; IC13.15@193.4,27.975 196.975,27.975 197.3,28.3 197.3,30.6 197.15,30.75 C27.2@195.4,30.75 ; 195.78,27.975 ccw(c195.78,29.495) 196.855,28.42 ccw(c195.78,29.495) 197.3,29.495
  Mid-Layer 1 w0.3: v1(34.2,157.9) v1@34.3,157.8
  Bottom Layer w1: CN8.GND2@3,68.66 3,65.4 3.3,65.1 5.2,65.1 5.54,65.44 CN8.GND1@5.54,68.66 ; CN9.GND1@231.46,107.14 231.46,110.26 231.9,110.7 233.7,110.7 234,110.4 CN9.GND2@234,107.14
  other v1: 162.3,18.7 177.5,18.8 24,20 39.4,20 85.6,25.2 115,26 0,28 4,28 8,28 64,28 115,28 148,28 152,28 156,28 166,28 197.138,28.138 24,30 36,30 115,30 214,32 218,32 230,34 232,34 86,38 90,38 94,38 138,40 142,40 146,40 4,44 28,44 38,44 4,50 28,50 38,50 138,54 4,56 28,56 38,56 110,56 138,58 110,68 110,72 136,72 156,72 136,76 128.7,80.4 98.1,80.5 186,82 188,82 190,82 112,98 112,102 4,104 144,104 154,104 166,104 178,104 138,110 144,110 154,110 166,110 178,110 114.3,110.7 129.3,110.8 212,112 216,112 42,116 46,116 50,116 22,124 146,124 150,124 180,128 177.5,129.5 180,132 103.8,133.317 147.9,133.4 198,136 200,136 230,136 234,136 6,138 42,138 6,142 42,142 21.1,143.9 18,156 218,160 222,160
  other v2: 129.8,89 131.1,89 132.4,89 133.7,89 135,89 99.2,89.1 100.5,89.1 101.8,89.1 103.1,89.1 104.4,89.1 129.8,90.3 131.1,90.3 132.4,90.3 133.7,90.3 135,90.3 99.2,90.4 100.5,90.4 101.8,90.4 103.1,90.4 104.4,90.4 129.8,91.6 131.1,91.6 132.4,91.6 133.7,91.6 135,91.6 99.2,91.7 100.5,91.7 101.8,91.7 103.1,91.7 104.4,91.7 129.8,92.9 131.1,92.9 132.4,92.9 133.7,92.9 135,92.9 99.2,93 100.5,93 101.8,93 103.1,93 104.4,93 129.8,94.2 131.1,94.2 132.4,94.2 133.7,94.2 135,94.2 99.2,94.3 100.5,94.3 101.8,94.3 103.1,94.3 104.4,94.3 129.8,95.5 131.1,95.5 132.4,95.5 133.7,95.5 135,95.5 99.2,95.6 100.5,95.6 101.8,95.6 103.1,95.6 104.4,95.6
  other v3: 111,24.225 112.1,24.225 112.67,114.508 113.77,114.508 127.67,114.608 128.77,114.608 112.67,115.608 113.77,115.608 127.67,115.708 128.77,115.708
HEC_5V1: C49_TH1.2 C50_TH1.2 CN16.1 IC20_TH1.8 | length 30.6
  Top Layer w0.254: IC20_TH1.8@66.8,146.4 66.8,164.5 68.438,166.138 CN16.1@78.61,166.138
HEC_5V2: C49_TH2.2 C50_TH2.2 CN16.6 IC20_TH2.8 | length 28.5
  Top Layer w0.254: IC20_TH2.8@81.541,146.4 81.541,160.041 82.5,161 90.6,161 91.31,161.71 CN16.6@91.31,166.138
HEC_5V3: C49_TH3.2 C50_TH3.2 CN17.1 IC20_TH3.8 | length 21.2
  Top Layer w0.254: IC20_TH3.8@96.283,146.4 96.283,156.483 99.843,160.043 CN17.1@99.843,166.138
HEC_5V4: C49_TH4.2 C50_TH4.2 CN17.6 IC20_TH4.8 | length 25.2
  Top Layer w0.254: IC20_TH4.8@110.99,141.6 110.99,159.79 112.543,161.343 CN17.6@112.543,166.138
HEC_5V5: C49_TH5.2 C50_TH5.2 CN18.1 IC20_TH5.8 | length 21.7
  Top Layer w0.254: CN18.1@121.077,166.138 121.077,158.923 125.766,154.234 IC20_TH5.8@125.766,146.4
HEC_5V6: C49_TH6.2 C50_TH6.2 CN18.6 IC20_TH6.8 | length 24.6
  Top Layer w0.254: CN18.6@133.777,166.138 133.777,158.823 135.8,156.8 139.3,156.8 140.507,155.593 IC20_TH6.8@140.507,146.4
HEC_5V7: C49_TH7.2 C50_TH7.2 CN19.1 IC20_TH7.8 | length 30.5
  Top Layer w0.254: CN19.1@142.31,166.138 142.31,162.19 143.4,161.1 145.6,161.1 147.1,159.6 147.1,155.1 147.3,154.9 154.4,154.9 155.249,154.051 IC20_TH7.8@155.249,146.4
HEC_5V8: C49_TH8.2 C50_TH8.2 CN19.6 IC20_TH8.8 | length 36.3
  Top Layer w0.254: CN19.6@155.01,166.138 155.01,160.09 156.4,158.7 166.8,158.7 169.89,155.61 IC20_TH8.8@169.89,142.1
HEC_GND1: C49_TH1.1 C50_TH1.1 CN16.3 IC20_TH1.5 IC20_TH1.6 | length 59
  Top Layer w0.254: C50_TH1.1@64.96,151.4 63.9,151.4 63.7,151.2 63.7,149.7 ; C49_TH1.1@65.36,149.4 64,149.4 ; IC20_TH1.5@74.42,146.4 74.42,143.82 73.9,143.3 72.2,143.3 ; CN16.3@83.69,166.138 83.69,163.49 82.6,162.4 73,162.4 71.88,161.28 IC20_TH1.6@71.88,146.4 71.88,143.62 ; 63.7,149.1 63.7,149.5 ; 63.7,149.1 63.7,144.2 64.6,143.3 71.6,143.3 ; 63.7,149.1 64,149.4 ; 63.7,149.5 63.7,149.7 ; 63.7,149.5 63.8,149.4 64,149.4 ; 63.7,149.7 64,149.4 ; 71.6,143.3 71.9,143.3 ; 71.6,143.3 71.6,143.34 71.88,143.62 ; 71.88,143.62 71.88,143.32 71.9,143.3 ; 71.88,143.62 72.2,143.3 ; 71.9,143.3 72.2,143.3
HEC_GND2: C49_TH2.1 C50_TH2.1 CN16.8 IC20_TH2.5 IC20_TH2.6 | length 57.3
  Top Layer w0.254: C50_TH2.1@79.701,151.4 78.641,151.4 78.441,151.2 78.441,149.7 ; C49_TH2.1@80.101,149.4 78.741,149.4 ; IC20_TH2.5@89.161,146.4 89.161,143.82 88.641,143.3 86.941,143.3 ; CN16.8@96.39,166.138 96.39,160.29 95.5,159.4 87.4,159.4 86.621,158.621 IC20_TH2.6@86.621,146.4 86.621,143.62 ; 78.441,149.1 78.741,149.4 ; 78.441,149.1 78.441,144.2 79.341,143.3 86.341,143.3 ; 78.441,149.1 78.441,149.5 ; 78.441,149.5 78.541,149.4 78.741,149.4 ; 78.441,149.5 78.441,149.7 ; 78.441,149.7 78.741,149.4 ; 86.341,143.3 86.341,143.34 86.621,143.62 ; 86.341,143.3 86.641,143.3 ; 86.621,143.62 86.941,143.3 ; 86.621,143.62 86.621,143.32 86.641,143.3 ; 86.641,143.3 86.941,143.3
HEC_GND3: C49_TH3.1 C50_TH3.1 CN17.3 IC20_TH3.5 IC20_TH3.6 | length 50
  Top Layer w0.254: C50_TH3.1@94.443,151.4 93.383,151.4 93.183,151.2 93.183,149.7 ; C49_TH3.1@94.843,149.4 93.483,149.4 ; IC20_TH3.5@103.903,146.4 103.903,143.82 103.383,143.3 101.683,143.3 ; CN17.3@104.923,166.138 104.923,160.423 101.363,156.863 IC20_TH3.6@101.363,146.4 101.363,143.62 ; 93.183,149.1 93.483,149.4 ; 93.183,149.1 93.183,144.2 94.083,143.3 101.083,143.3 ; 93.183,149.1 93.183,149.5 ; 93.183,149.5 93.283,149.4 93.483,149.4 ; 93.183,149.5 93.183,149.7 ; 93.183,149.7 93.483,149.4 ; 101.083,143.3 101.083,143.34 101.363,143.62 ; 101.083,143.3 101.383,143.3 ; 101.363,143.62 101.683,143.3 ; 101.363,143.62 101.363,143.32 101.383,143.3 ; 101.383,143.3 101.683,143.3
HEC_GND4: C49_TH4.1 C50_TH4.1 CN17.8 IC20_TH4.5 IC20_TH4.6 | length 54.9
  Top Layer w0.254: C50_TH4.1@109.15,146.6 108.09,146.6 107.89,146.4 107.89,144.9 ; C49_TH4.1@109.55,144.6 108.19,144.6 ; CN17.8@117.623,166.138 117.623,160.823 114.9,158.1 114.9,145.2 116.07,144.03 IC20_TH4.6@116.07,141.6 116.07,138.82 ; IC20_TH4.5@118.61,141.6 118.61,139.02 118.09,138.5 116.39,138.5 ; 107.89,144.3 108.19,144.6 ; 107.89,144.3 107.89,139.4 108.79,138.5 115.79,138.5 ; 107.89,144.3 107.89,144.7 ; 107.89,144.7 107.99,144.6 108.19,144.6 ; 107.89,144.7 107.89,144.9 ; 107.89,144.9 108.19,144.6 ; 115.79,138.5 115.79,138.54 116.07,138.82 ; 115.79,138.5 116.09,138.5 ; 116.07,138.82 116.39,138.5 ; 116.07,138.82 116.07,138.52 116.09,138.5 ; 116.09,138.5 116.39,138.5
HEC_GND5: C49_TH5.1 C50_TH5.1 CN18.3 IC20_TH5.5 IC20_TH5.6 | length 50.5
  Top Layer w0.254: C50_TH5.1@123.926,151.4 122.866,151.4 122.666,151.2 122.666,149.7 ; C49_TH5.1@124.326,149.4 122.966,149.4 ; CN18.3@126.157,166.138 126.157,158.743 130.846,154.054 IC20_TH5.6@130.846,146.4 130.846,143.62 ; IC20_TH5.5@133.386,146.4 133.386,143.82 132.866,143.3 131.166,143.3 ; 122.666,149.1 122.966,149.4 ; 122.666,149.1 122.666,144.2 123.566,143.3 130.566,143.3 ; 122.666,149.1 122.666,149.5 ; 122.666,149.5 122.766,149.4 122.966,149.4 ; 122.666,149.5 122.666,149.7 ; 122.666,149.7 122.966,149.4 ; 130.566,143.3 130.566,143.34 130.846,143.62 ; 130.566,143.3 130.866,143.3 ; 130.846,143.62 131.166,143.3 ; 130.846,143.62 130.846,143.32 130.866,143.3 ; 130.866,143.3 131.166,143.3
HEC_GND6: C49_TH6.1 C50_TH6.1 CN18.8 IC20_TH6.5 IC20_TH6.6 | length 53.8
  Top Layer w0.254: C50_TH6.1@138.667,151.4 137.607,151.4 137.407,151.2 137.407,149.7 ; CN18.8@138.857,166.138 138.857,160.643 139.7,159.8 144,159.8 145.587,158.213 IC20_TH6.6@145.587,146.4 145.587,143.62 ; C49_TH6.1@139.067,149.4 137.707,149.4 ; IC20_TH6.5@148.127,146.4 148.127,143.82 147.607,143.3 145.907,143.3 ; 137.407,149.1 137.707,149.4 ; 137.407,149.1 137.407,144.2 138.307,143.3 145.307,143.3 ; 137.407,149.1 137.407,149.5 ; 137.407,149.5 137.507,149.4 137.707,149.4 ; 137.407,149.5 137.407,149.7 ; 137.407,149.7 137.707,149.4 ; 145.307,143.3 145.307,143.34 145.587,143.62 ; 145.307,143.3 145.607,143.3 ; 145.587,143.62 145.907,143.3 ; 145.587,143.62 145.587,143.32 145.607,143.3 ; 145.607,143.3 145.907,143.3
HEC_GND7: C49_TH7.1 C50_TH7.1 CN19.3 IC20_TH7.5 IC20_TH7.6 | length 59.7
  Top Layer w0.254: CN19.3@147.39,166.138 147.39,163.11 149.1,161.4 149.1,157.4 149.8,156.7 159.7,156.7 160.329,156.071 IC20_TH7.6@160.329,146.4 160.329,143.62 ; C50_TH7.1@153.409,151.4 152.349,151.4 152.149,151.2 152.149,149.7 ; C49_TH7.1@153.809,149.4 152.449,149.4 ; IC20_TH7.5@162.869,146.4 162.869,143.82 162.349,143.3 160.649,143.3 ; 152.149,149.1 152.449,149.4 ; 152.149,149.1 152.149,144.2 153.049,143.3 160.049,143.3 ; 152.149,149.1 152.149,149.5 ; 152.149,149.5 152.249,149.4 152.449,149.4 ; 152.149,149.5 152.149,149.7 ; 152.149,149.7 152.449,149.4 ; 160.049,143.3 160.049,143.34 160.329,143.62 ; 160.049,143.3 160.349,143.3 ; 160.329,143.62 160.649,143.3 ; 160.329,143.62 160.329,143.32 160.349,143.3 ; 160.349,143.3 160.649,143.3
HEC_GND8: C49_TH8.1 C50_TH8.1 CN19.8 IC20_TH8.5 IC20_TH8.6 | length 63.7
  Top Layer w0.254: CN19.8@160.09,166.138 160.09,162.61 161.8,160.9 169.9,160.9 174.97,155.83 IC20_TH8.6@174.97,142.1 174.97,139.32 ; C50_TH8.1@168.05,147.1 166.99,147.1 166.79,146.9 166.79,145.4 ; C49_TH8.1@168.45,145.1 167.09,145.1 ; IC20_TH8.5@177.51,142.1 177.51,139.52 176.99,139 175.29,139 ; 166.79,144.8 167.09,145.1 ; 166.79,144.8 166.79,139.9 167.69,139 174.69,139 ; 166.79,144.8 166.79,145.2 ; 166.79,145.2 166.89,145.1 167.09,145.1 ; 166.79,145.2 166.79,145.4 ; 166.79,145.4 167.09,145.1 ; 174.69,139 174.69,139.04 174.97,139.32 ; 174.69,139 174.99,139 ; 174.97,139.32 175.29,139 ; 174.97,139.32 174.97,139.02 174.99,139 ; 174.99,139 175.29,139
HEC_SIG1: CN16.2 IC20_TH1.7 | length 30.6
  Top Layer w0.254: IC20_TH1.7@69.34,146.4 69.34,162.44 70.3,163.4 80.5,163.4 81.15,164.05 CN16.2@81.15,166.138
HEC_SIG2: CN16.7 IC20_TH2.7 | length 28.4
  Top Layer w0.254: IC20_TH2.7@84.081,146.4 84.081,159.481 84.8,160.2 92.6,160.2 93.85,161.45 CN16.7@93.85,166.138
HEC_SIG3: CN17.2 IC20_TH3.7 | length 21.2
  Top Layer w0.254: IC20_TH3.7@98.823,146.4 98.823,156.423 102.383,159.983 CN17.2@102.383,166.138
HEC_SIG4: CN17.7 IC20_TH4.7 | length 25.2
  Top Layer w0.254: IC20_TH4.7@113.53,141.6 113.53,159.73 115.083,161.283 CN17.7@115.083,166.138
HEC_SIG5: CN18.2 IC20_TH5.7 | length 21.7
  Top Layer w0.254: CN18.2@123.617,166.138 123.617,158.783 128.306,154.094 IC20_TH5.7@128.306,146.4
HEC_SIG6: CN18.7 IC20_TH6.7 | length 25.3
  Top Layer w0.254: CN18.7@136.317,166.138 136.317,158.783 137.2,157.9 142,157.9 143.047,156.853 IC20_TH6.7@143.047,146.4
HEC_SIG7: CN19.2 IC20_TH7.7 | length 29.8
  Top Layer w0.254: CN19.2@144.85,166.138 144.85,163.55 148.1,160.3 148.1,156.4 148.7,155.8 156.8,155.8 157.789,154.811 IC20_TH7.7@157.789,146.4
HEC_SIG8: CN19.7 IC20_TH8.7 | length 35.6
  Top Layer w0.254: CN19.7@157.55,166.138 157.55,161.15 159,159.7 168.2,159.7 172.43,155.47 IC20_TH8.7@172.43,142.1
LASER_RX1: CN8.T0 CN9.T0 R12_L1.1 TP15_L1.1 | length 274
  Top Layer w0.254: CN8.T0@13.16,99.14 13.16,100.16 14.2,101.2 76.2,101.2 78.1,99.3 87.5,99.3 88.4,98.4 88.4,76.1 89.4,75.1 96.1,75.1 97.2,74 97.2,59.35 R12_L1.1@95.7,57.85 ; 96.207,58.357 cw(c97.1,57.465) TP15_L1.1@97.1,58.727 ; TP15_L1.1@96.328,58.478 ccw(c95.606,59.2) TP15_L1.1@96.627,59.2 ; TP15_L1.1@96.641,58.791 cw(c97.1,58.332) TP15_L1.1@97.1,58.981 ; TP15_L1.1@96.766,59.534 ccw(c95.717,60.583) 97.2,60.583 ; TP15_L1.1@96.945,59.355 ccw(c96.33,59.97) TP15_L1.1@97.2,59.97 ; 97.2,60.1 ccw(c98,60.1) TP15_L1.1@97.434,59.534
  Mid-Layer 1 w0.3: v1@97.1,58.75 cw(c97.1,57.664) 97.868,58.432 cw(c98.636,59.2) v1@97.55,59.2 ; v1(97.1,59.2) 98.1,58.2 110.8,58.2 114.3,61.7 196.4,61.7 197.8,63.1 197.8,72.1 200.4,74.7 223.3,74.7 223.84,75.24 CN9.T0@223.84,76.66